# Altium PCB mod_duo_dwarf.PcbDoc (part 2 of 3)
Units mm, origin at the board's own origin, x right, y up, seen from the top; angles counter-clockwise.
Board outline 193.02 x 75.32 mm, 2 copper layers (Top Layer, Bottom Layer), stack 1.579 mm thick; 179 components, 157 nets, 691 pads, 335 vias.
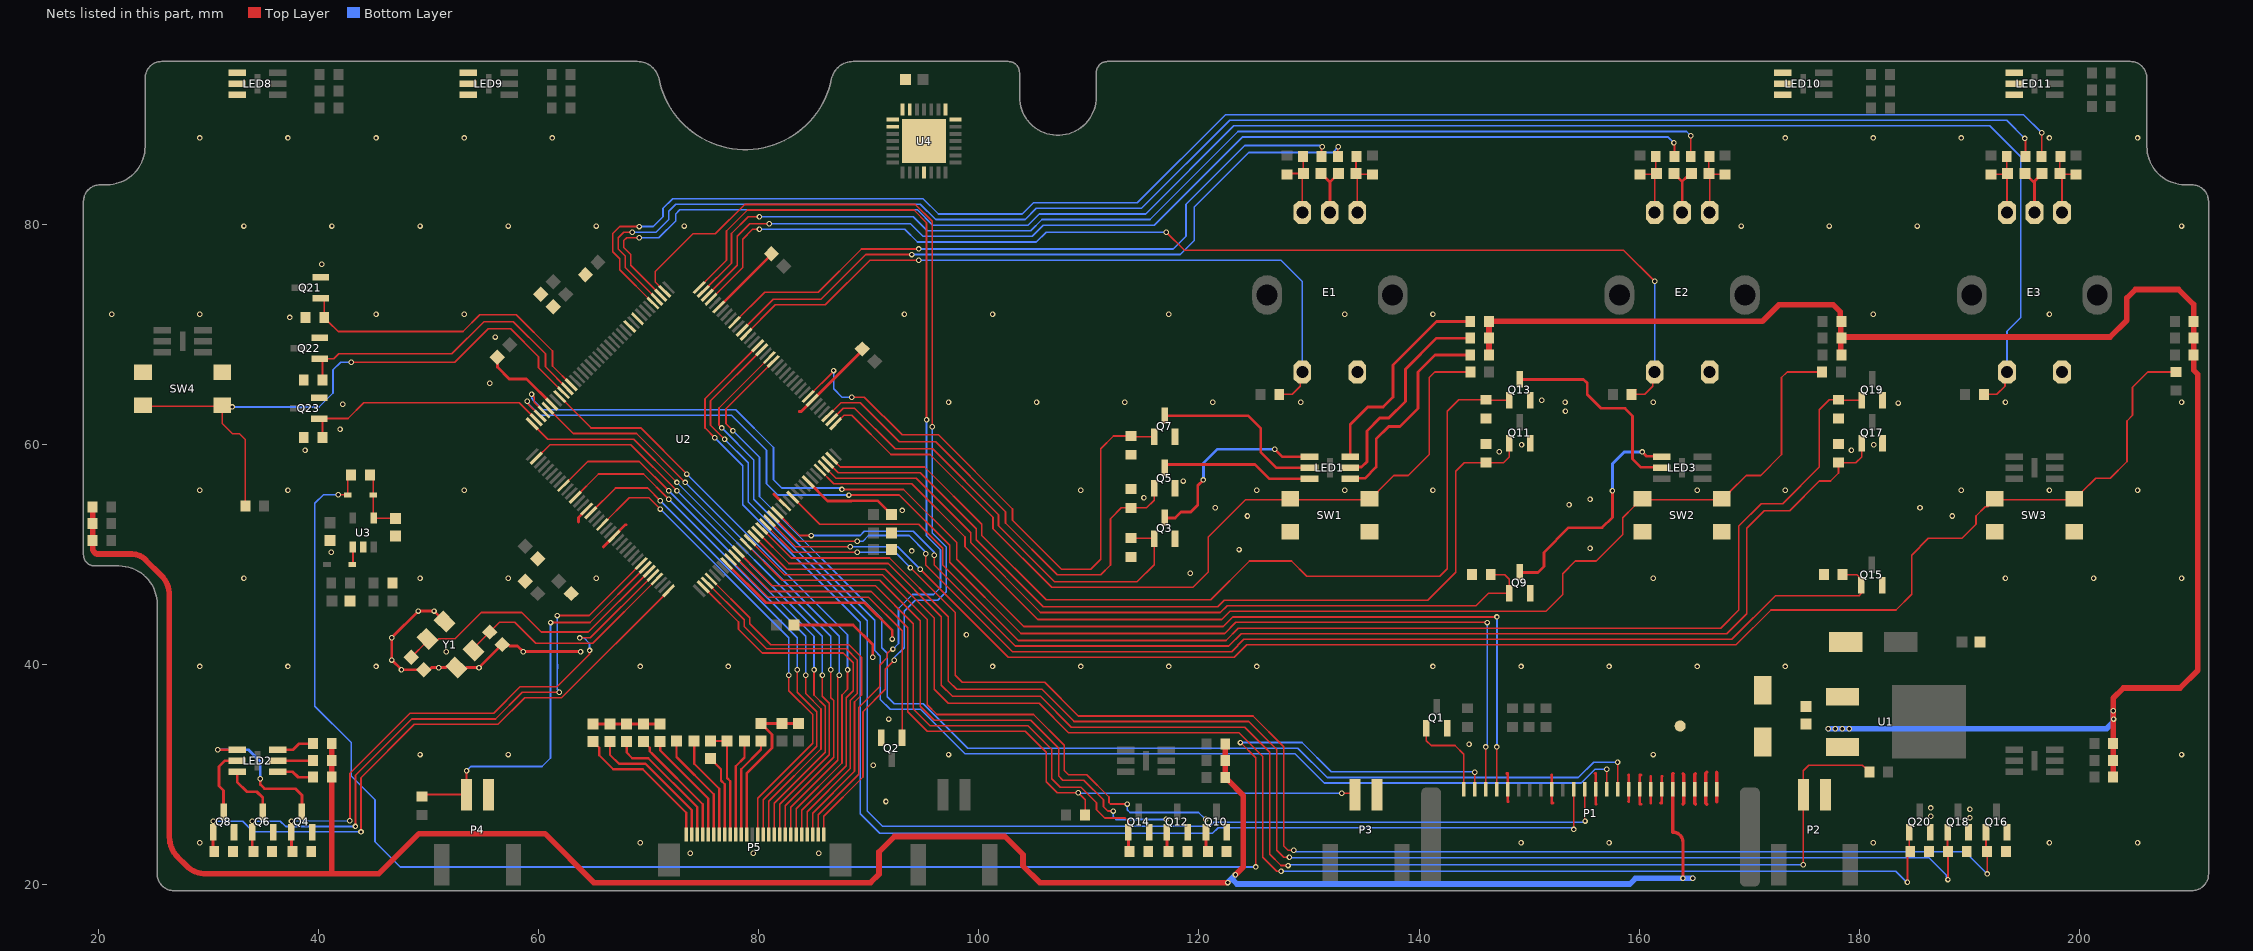
[diagram p2: the nets of this part, all layers, seen from the top]

## Via types
v1: diameter 0.5, hole 0.3, Top Layer to Bottom Layer, tented both sides, 335 vias

## Nets (pads, with @x,y where several pads share a name; then routed paths per layer and width w, separated by ;. In a path a pad name is that pad's centre, name@x,y a point inside that pad or via, vN(x,y) a via of type N, cw(c..) or ccw(c..) an arc to the next point about the centre after c; other vN are vias at no path point) (continued)
+12V: C1.2 C3.2 P1.20 P1.21 P1.22 P1.23 P1.24 R34.2 R35.2 R36.2 R38.2 R39.2 R40.2 R46.2 R47.2 R48.2 R50.2 R51.2 R52.2 R58.2 R59.2 R60.2 R62.2 R63.2 R64.2 R70.2 R71.2 R72.2 TP1.1 U1.3 | length 382.9
  Top Layer w0.3: 163.068,30.099 163.036,30.067 P1.20@163.036,28.666 163.036,24.765 163.068,24.765 cw(c163.068,23.876) 163.957,23.876 v1(163.957,20.574) ; 163.957,27.305 164.036,27.384 P1.21@164.036,28.666 164.036,30.02 163.957,30.099 ; 165.1,27.305 165.036,27.369 P1.22@165.036,28.666 165.036,30.035 165.1,30.099 ; 166.116,27.305 166.036,27.385 P1.23@166.036,28.666 166.036,30.146 166.116,30.226 ; 167.005,30.226 167.036,30.195 P1.24@167.036,28.666 167.036,27.516
  Top Layer w0.508: R71.2@19.502,54.318 R72.2@19.502,52.794 R70.2@19.502,51.27 19.502,50.607 ccw(c20.127,50.607) 19.685,50.165 ccw(c19.992,50.472) 19.992,50.038 23.044,50.038 cw(c23.044,48.239) 24.316,49.511 25.741,48.086 cw(c23.945,46.29) 26.485,46.29 26.485,24.317 ccw(c29.025,24.317) 27.229,22.521 28.027,21.723 ccw(c29.823,23.519) 29.823,20.979 41.23,20.979 ; R38.2@41.23,32.812 R40.2@41.23,31.288 R39.2@41.23,29.764 41.23,20.979 ; R50.2@122.383,32.79 122.383,29.692 122.579,29.496 122.616,29.496 124.021,28.091 124.021,21.614 v1(123.311,20.904) ; v1(122.6,20.193) 105.537,20.193 104.013,21.717 104.013,22.733 102.362,24.384 92.329,24.384 90.932,22.987 90.932,20.955 90.17,20.193 65.024,20.193 60.579,24.638 49.149,24.638 45.49,20.979 41.23,20.979 ; R35.2@146.342,68.118 R36.2@146.342,69.642 R34.2@146.342,71.166 171.16,71.166 172.662,72.668 177.615,72.668 178.25,72.033 178.25,71.21 178.302,71.158 178.302,69.642 R47.2@178.302,68.118 ; R48.2@178.31,69.642 178.415,69.747 202.761,69.747 204.285,71.271 204.285,73.303 205.047,74.065 208.984,74.065 210.342,72.707 R58.2@210.342,71.166 R60.2@210.342,69.642 R59.2@210.342,68.118 210.342,66.738 210.723,66.357 210.723,39.482 209.111,37.87 203.962,37.87 203.028,36.936 R62.2@203.028,32.812 R64.2@203.028,31.288 R63.2@203.028,29.764
  Bottom Layer w0.508: v1(122.6,20.193) 122.955,20.548 ; v1(123.311,20.904) 122.955,20.548 ; v1(164.846,20.574) 159.639,20.574 159.131,20.066 123.438,20.066 122.955,20.548 ; v1(177.165,34.163) v1(177.8,34.163) v1(178.435,34.163) v1(179.07,34.163) 202.438,34.163 203.028,34.753 v1(203.028,35.798)
  other v1: 203.073,35.052
B1_LED_B: Q7.1 R43.1 U2.80 | length 52.4
  Top Layer w0.152: U2.80@84.517,64.347 86.81,66.64 v1(86.81,66.699) ; v1(88.461,64.286) 89.604,64.286 93.033,60.857 96.335,60.857 103.066,54.126 103.066,53.11 107.511,48.665 110.178,48.665 111.067,49.554 111.067,59.587 112.232,60.752 R43.1@113.825,60.752 113.886,60.691 Q7.1@115.923,60.691
  Bottom Layer w0.152: v1(86.81,66.699) 86.81,65.048 87.572,64.286 v1(88.461,64.286)
B1_LED_G: Q5.1 R41.1 U2.75 | length 43.5
  Top Layer w0.152: U2.75@86.285,62.58 87.483,63.778 89.223,63.778 92.779,60.222 96.081,60.222 102.431,53.872 102.431,52.856 107.13,48.157 111.067,48.157 111.956,49.046 111.956,53.237 112.945,54.226 R41.1@113.825,54.226 115.231,54.226 115.923,54.918 Q5.1@115.923,55.992
B1_LED_R: Q3.1 R33.1 U2.74 | length 41.9
  Top Layer w0.152: U2.74@86.638,62.226 87.682,63.27 88.715,63.27 92.398,59.587 95.827,59.587 101.796,53.618 101.796,52.602 106.876,47.522 114.369,47.522 115.923,49.076 Q3.1@115.923,51.42 115.862,51.481 R33.1@113.825,51.481
B2_LED_B: Q13.1 R55.1 U2.71 | length 84.6
  Top Layer w0.152: U2.71@86.638,58.726 87.428,57.936 95.065,57.936 100.272,52.729 100.272,51.713 106.114,45.871 121.055,45.871 124.587,49.403 128.397,49.403 129.794,48.006 141.867,48.006 142.563,48.702 142.563,63.016 143.601,64.054 R55.1@146.087,64.054 146.148,63.993 Q13.1@148.185,63.993
B2_LED_G: Q11.1 R53.1 U2.70 | length 80.2
  Top Layer w0.152: U2.70@86.285,58.372 87.229,57.428 94.684,57.428 99.764,52.348 99.764,51.332 105.86,45.236 121.69,45.236 122.301,45.847 140.785,45.847 143.325,48.387 143.325,57.555 144.087,58.317 146.07,58.317 R53.1@146.087,58.334 147.664,58.334 148.185,58.855 Q11.1@148.185,60.1
B2_LED_R: Q9.1 R45.1 U2.69 | length 72.7
  Top Layer w0.152: U2.69@85.931,58.019 87.03,56.92 94.303,56.92 99.256,51.967 99.256,51.078 105.606,44.728 121.944,44.728 122.555,45.339 145.161,45.339 146.289,46.467 Q9.1@148.185,46.467 148.185,47.742 147.77,48.157 R45.1@146.5,48.157 146.5,48.107 R45.1@146.126,47.733
B3_LED_B: Q19.1 R67.1 U2.61 | length 120
  Top Layer w0.152: U2.61@83.103,55.19 85.564,52.729 94.557,52.729 96.716,50.57 96.716,49.046 103.574,42.188 122.452,42.188 123.571,43.307 167.386,43.307 169.037,44.958 169.037,52.578 171.069,54.61 173.019,54.61 176.345,57.936 176.345,63.143 177.256,64.054 R67.1@178.087,64.054 178.148,63.993 Q19.1@180.185,63.993
B3_LED_G: Q17.1 R65.1 U2.57 | length 118
  Top Layer w0.152: U2.57@81.689,53.776 83.752,51.713 v1(84.778,51.713) ; v1(95.954,49.935) 95.954,49.046 103.32,41.68 122.706,41.68 123.825,42.799 167.934,42.799 169.753,44.618 169.753,52.384 171.344,53.975 173.654,53.975 176.345,56.666 177.361,56.666 178.087,57.392 R65.1@178.087,58.334 179.664,58.334 180.185,58.855 Q17.1@180.185,60.1
  Bottom Layer w0.152: v1(84.778,51.713) 89.223,51.713 89.604,52.094 94.049,52.094 95.954,50.189 v1(95.954,49.935)
B3_LED_R: Q15.1 R57.1 U2.56 | length 110.5
  Top Layer w0.152: U2.56@81.335,53.423 83.553,51.205 v1(88.969,51.205) ; v1(95.192,50.062) 95.192,49.046 103.066,41.172 122.96,41.172 124.079,42.291 168.402,42.291 172.363,46.252 179.961,46.252 180.124,46.415 180.124,46.467 180.124,46.528 180.185,46.467 180.185,46.528 180.185,47.746 179.774,48.157 R57.1@178.465,48.157
  Bottom Layer w0.152: v1(88.969,51.205) 89.477,51.205 89.985,51.713 93.668,51.713 95.192,50.189 v1(95.192,50.062)
BUTTON_1: R29.1 SW1.3 SW1.4 U2.73 | length 79
  Top Layer w0.152: U2.73@86.992,61.873 87.754,62.635 88.461,62.635 92.017,59.079 95.573,59.079 101.288,53.364 101.288,52.348 106.622,47.014 119.449,47.014 120.846,48.411 120.846,51.586 124.226,54.966 SW1.3@128.286,54.966 ; SW1.3@128.386,54.966 135.486,54.966 135.586,54.966 136.21,55.59 136.21,55.69 137.694,57.174 139.011,57.174 140.916,59.079 140.916,66.064 141.424,66.572 R29.1@144.642,66.572
BUTTON_2: R30.1 SW2.3 SW2.4 U2.68 | length 112.6
  Top Layer w0.152: U2.68@85.578,57.665 86.831,56.412 93.922,56.412 98.748,51.586 98.748,50.697 105.352,44.093 122.071,44.093 122.809,44.831 151.511,44.831 153.035,46.355 153.035,48.26 154.178,49.403 156.083,49.403 158.496,51.816 158.496,53.34 159.562,54.406 159.562,54.442 160.186,55.066 SW2.3@160.286,55.066 ; SW2.3@160.386,54.966 167.586,54.966 168.21,55.59 168.21,55.69 169.694,57.174 171.011,57.174 172.916,59.079 172.916,66.064 173.424,66.572 R30.1@176.599,66.572
BUTTON_3: R31.1 SW3.3 SW3.4 U2.55 | length 149.9
  Top Layer w0.152: U2.55@80.981,53.069 83.354,50.697 v1(88.334,50.697) ; v1(94.684,48.665) 102.685,40.664 123.214,40.664 124.333,41.783 168.783,41.783 171.958,44.958 183.306,44.958 184.727,46.379 184.727,49.935 186.251,51.459 189.299,51.459 190.569,52.729 190.569,53.491 191.42,54.342 191.662,54.342 192.286,54.966 199.586,54.966 200.21,55.59 200.21,55.69 201.44,56.92 202.761,56.92 204.285,58.444 204.285,62.127 204.793,62.635 204.793,65.175 206.19,66.572 R31.1@208.73,66.572
  Bottom Layer w0.152: v1(88.334,50.697) 92.652,50.697 v1(94.684,48.665)
BUTTON_MOD: R32.1 SW4.3 SW4.4 U2.136 | length 56.3
  Top Layer w0.152: SW4.4@23.586,63.466 SW4.3@31.286,63.466 ; SW4.3@31.286,63.566 SW4.3@31.286,63.466 ; v1(32.2,63.397) 32.106,63.397 32.037,63.466 SW4.3@31.286,63.466 ; R32.1@33.382,54.38 33.382,60.437 32.854,60.965 32.219,60.965 31.286,61.898 SW4.3@31.286,63.466 ; v1(42.995,67.461) 52.393,67.461 55.441,70.509 57.473,70.509 60.013,67.969 60.013,66.966 U2.136@62.279,64.701
  Bottom Layer w0.152: v1(32.2,63.397) 40.074,63.397 41.344,64.667 41.344,66.774 42.031,67.461 v1(42.995,67.461)
CLI_UART_RX: P1.15 U2.89 | length 110.7
  Top Layer w0.152: v1(77.666,61.238) 77.031,61.873 77.031,63.225 U2.89@81.335,67.529 ; v1(158.013,31.128) 158.025,31.116 158.025,28.678 P1.15@158.036,28.666
  Bottom Layer w0.152: v1(77.666,61.238) 80.079,58.825 80.079,55.269 91.186,44.162 91.186,41.529 91.694,41.021 91.694,37.084 92.329,36.449 94.962,36.449 99.002,32.409 128.974,32.409 131.641,29.742 154.456,29.742 155.842,31.128 v1(158.013,31.128)
CLI_UART_TX: P1.14 U2.90 | length 110.5
  Top Layer w0.152: v1(76.65,61.492) 76.396,61.746 76.396,63.297 U2.90@80.981,67.883 ; P1.14@157.036,28.666 157.039,28.67 157.039,30.482 v1(157.043,30.486)
  Bottom Layer w0.152: v1(76.65,61.492) 79.571,58.571 79.571,55.015 90.551,44.035 90.551,41.275 91.059,40.767 91.059,36.83 91.948,35.941 94.708,35.941 98.748,31.901 128.72,31.901 131.387,29.234 154.71,29.234 155.962,30.486 v1(157.043,30.486)
ENC1_A: R25.1 U2.97 | length 63.7
  Top Layer w0.152: U2.97@78.507,70.358 81.325,73.176 85.667,73.176 89.731,77.24 v1(93.922,77.24) ; R25.1@132.607,86.13 132.607,86.969 v1(132.657,87.019)
  Bottom Layer w0.152: v1(93.922,77.24) 118.306,77.24 119.576,78.51 119.576,81.558 124.529,86.511 132.149,86.511 v1(132.657,87.019)
ENC1_B: R19.1 U2.99 | length 62.7
  Top Layer w0.152: U2.99@77.8,71.065 80.546,73.811 85.413,73.811 89.35,77.748 v1(94.557,77.748) ; R19.1@131.132,86.13 131.132,86.969 v1(131.182,87.019)
  Bottom Layer w0.152: v1(94.557,77.748) 117.671,77.748 118.814,78.891 118.814,81.812 124.148,87.146 130.961,87.146 131.088,87.019 v1(131.182,87.019)
ENC1_SW: E1.2 R12.1 U2.96 | length 65.9
  Top Layer w0.152: U2.96@78.86,70.004 81.524,72.668 86.048,72.668 90.112,76.732 v1(94.557,76.732) ; R12.1@127.292,64.54 128.474,64.54 129.211,65.277 129.211,66.291 E1.2@129.386,66.466
  Bottom Layer w0.152: v1(94.557,76.732) 127.45,76.732 129.386,74.796 E1.2@129.386,66.566 E1.2@129.386,66.466
ENC2_A: R26.1 U2.107 | length 100.4
  Top Layer w0.152: U2.107@74.971,73.893 77.539,76.461 77.539,79.145 79.063,80.669 v1(80.079,80.669) ; v1(164.661,88.035) 164.662,88.034 R26.1@164.662,86.13
  Bottom Layer w0.152: v1(80.079,80.669) 94.049,80.669 95.319,79.399 104.717,79.399 105.733,80.415 115.542,80.415 123.543,88.416 164.28,88.416 v1(164.661,88.035)
ENC2_B: R20.1 U2.106 | length 97.8
  Top Layer w0.152: U2.106@75.325,73.54 78.047,76.262 78.047,78.891 79.19,80.034 v1(80.968,80.034) ; v1(163.137,87.4) 163.187,87.35 R20.1@163.187,86.13
  Bottom Layer w0.152: v1(80.968,80.034) 93.795,80.034 94.938,78.891 104.844,78.891 105.86,79.907 115.923,79.907 123.924,87.908 162.629,87.908 v1(163.137,87.4)
ENC2_SW: E2.2 R13.1 U2.105 | length 105
  Top Layer w0.152: U2.105@75.678,73.186 78.555,76.063 78.555,78.637 79.444,79.526 v1(80.079,79.526) ; v1(117.036,79.272) 118.687,77.621 158.565,77.621 v1(161.386,74.8) ; R13.1@159.716,64.964 159.666,64.964 159.292,64.59 R13.1@159.292,64.54 160.474,64.54 161.211,65.277 161.211,66.291 E2.2@161.386,66.466
  Bottom Layer w0.152: v1(80.079,79.526) 93.287,79.526 94.43,78.383 105.225,78.383 106.114,79.272 v1(117.036,79.272) ; E2.2@161.386,66.466 E2.2@161.386,66.566 v1(161.386,74.8)
ENC3_A: R27.1 U2.113 | length 146.5
  Top Layer w0.152: v1(69.157,79.78) 67.379,79.78 66.744,79.145 66.744,77.494 67.379,76.859 67.379,75.864 U2.113@70.41,72.833 ; v1(196.538,88.289) 196.541,88.286 R27.1@196.541,86.13
  Bottom Layer w0.152: v1(69.157,79.78) 70.427,79.78 71.316,80.669 71.316,81.431 72.205,82.32 94.938,82.32 96.335,80.923 103.955,80.923 104.971,81.939 114.399,81.939 122.4,89.94 194.887,89.94 v1(196.538,88.289)
ENC3_B: R21.1 U2.112 | length 143.2
  Top Layer w0.152: v1(68.522,79.272) 67.76,79.272 67.252,78.764 67.252,77.748 67.887,77.113 67.887,76.063 U2.112@70.764,73.186 ; v1(195.014,87.781) 195.066,87.729 R21.1@195.066,86.13
  Bottom Layer w0.152: v1(68.522,79.272) 70.681,79.272 71.824,80.415 71.824,81.177 72.459,81.812 94.684,81.812 96.081,80.415 104.209,80.415 105.225,81.431 114.78,81.431 122.781,89.432 193.363,89.432 v1(195.014,87.781)
ENC3_SW: E3.2 R14.1 U2.111 | length 163.9
  Top Layer w0.152: v1(69.157,78.764) 68.014,78.764 67.76,78.51 67.76,77.875 68.395,77.24 68.395,76.262 U2.111@71.117,73.54 ; R14.1@191.292,64.54 192.474,64.54 193.211,65.277 193.211,66.291 E3.2@193.386,66.466
  Bottom Layer w0.152: v1(69.157,78.764) 70.935,78.764 72.459,80.288 72.459,80.923 72.84,81.304 94.43,81.304 95.827,79.907 104.463,79.907 105.479,80.923 115.161,80.923 123.162,88.924 191.839,88.924 194.633,86.13 194.633,71.525 193.386,70.278 E3.2@193.386,66.566 E3.2@193.386,66.466
FS1: P4.2 R28.2 U2.30 | length 37.3
  Top Layer w0.152: R28.2@49.403,28.028 49.563,28.188 53.236,28.188 53.467,28.419 v1(53.467,30.353) ; v1(61.097,43.815) 64.692,43.815 U2.30@69.703,48.826
  Bottom Layer w0.152: v1(53.467,30.353) 53.848,30.734 60.325,30.734 61.097,31.506 v1(61.097,43.815)
FS1_LED_B: Q8.1 R44.1 U2.36 | length 56.5
  Top Layer w0.152: Q8.1@30.452,24.75 v1(30.452,25.766) ; v1(43.884,24.789) 43.884,29.725 48.727,34.568 56.33,34.568 58.743,36.981 62.1,36.981 U2.36@71.824,46.705
  Top Layer w0.254: Q8.1@30.452,24.75 30.452,23.133 R44.1@30.552,23.033
  Bottom Layer w0.152: v1(30.452,25.766) 33.128,25.766 34.076,24.818 v1@43.884,24.818
FS1_LED_G: Q6.1 R42.1 U2.29 | length 55.2
  Top Layer w0.152: Q6.1@34.008,24.75 v1(34.008,25.766) ; v1@43.384,25.297 43.384,29.932 48.501,35.049 56.103,35.049 58.536,37.481 v1(61.893,37.481) ; v1(61.722,44.45) 64.62,44.45 U2.29@69.35,49.18
  Top Layer w0.254: Q6.1@34.008,24.75 34.008,23.133 R42.1@34.108,23.033
  Bottom Layer w0.152: v1(34.008,25.766) 36.557,25.766 37.036,25.287 v1@43.376,25.287 ; v1(61.722,44.45) 61.722,40.029 61.727,40.024 61.727,39.627 61.722,39.622 61.722,37.744 61.893,37.573 v1(61.893,37.481)
  other v1: 43.376,25.297
FS1_LED_R: Q4.1 R37.1 U2.32 | length 49.7
  Top Layer w0.152: Q4.1@37.564,24.75 v1(37.564,25.766) ; v1@42.884,25.805 42.884,30.139 48.329,35.584 55.932,35.584 58.329,37.981 61.686,37.981 64.643,40.938 v1(64.643,41.275) ; v1(63.754,42.418) 64.709,42.418 U2.32@70.41,48.119
  Top Layer w0.254: Q4.1@37.564,24.75 37.564,23.133 R37.1@37.664,23.033
  Bottom Layer w0.152: v1(37.564,25.766) v1(42.868,25.805) ; v1(63.754,42.418) 64.135,42.418 64.643,41.91 v1(64.643,41.275)
FS2: P3.2 R15.2 U2.46 | length 73.7
  Top Layer w0.152: U2.46@77.8,49.887 81.054,46.633 90.239,46.633 93.541,43.331 93.541,35.711 95.319,33.933 104.209,33.933 106.114,32.028 106.114,29.361 107.13,28.345 v1(109.035,28.345) 109.67,27.71 109.67,26.352 R15.2@109.631,26.313 ; v1(132.969,28.321) 134.053,28.321 P3.2@134.186,28.188
  Bottom Layer w0.152: v1(109.035,28.345) 109.059,28.321 v1(132.969,28.321)
FS2_LED_B: Q14.1 R56.1 U2.47 | length 54.8
  Top Layer w0.152: U2.47@78.153,50.241 81.253,47.141 90.62,47.141 94.049,43.712 94.049,35.965 95.573,34.441 104.463,34.441 106.622,32.282 106.622,29.615 107.384,28.853 109.289,28.853 110.686,27.456 110.686,26.821 111.448,26.059 113.298,26.059 113.591,25.766 Q14.1@113.591,24.75
  Top Layer w0.254: Q14.1@113.591,24.75 113.591,23.133 R56.1@113.691,23.033
FS2_LED_G: Q12.1 R54.1 U2.49 | length 58.2
  Top Layer w0.152: U2.49@78.86,50.948 82.159,47.649 91.001,47.649 94.684,43.966 94.684,36.219 95.954,34.949 104.717,34.949 107.257,32.409 107.257,29.869 107.638,29.488 109.543,29.488 111.321,27.71 111.321,27.075 111.702,26.694 v1(112.21,26.694) ; v1(117.036,25.932) 117.036,24.795 Q12.1@117.081,24.75
  Top Layer w0.254: Q12.1@117.081,24.75 117.081,23.199 R54.1@117.247,23.033
  Bottom Layer w0.152: v1(112.21,26.694) 112.21,26.186 112.464,25.932 v1(117.036,25.932)
FS2_LED_R: Q10.1 R49.1 U2.50 | length 61.3
  Top Layer w0.152: U2.50@79.214,51.301 82.358,48.157 91.255,48.157 95.319,44.093 95.319,36.346 96.208,35.457 104.971,35.457 107.765,32.663 107.765,30.377 108.146,29.996 109.797,29.996 111.829,27.964 111.829,27.456 111.956,27.329 v1(113.48,27.329) ; v1(120.592,25.932) 120.592,24.795 Q10.1@120.637,24.75
  Top Layer w0.254: Q10.1@120.637,24.75 120.637,23.199 R49.1@120.803,23.033
  Bottom Layer w0.152: v1(113.48,27.329) 113.48,26.821 113.734,26.567 119.957,26.567 v1(120.592,25.932)
FS3: P2.2 R11.2 U2.52 | length 131.7
  Top Layer w0.152: U2.52@79.921,52.008 82.756,49.173 91.763,49.173 96.589,44.347 96.589,38.124 97.605,37.108 105.606,37.108 108.4,34.314 124.148,34.314 126.434,32.028 126.434,22.757 127.45,21.741 v1(128.085,21.741) ; v1(174.895,21.822) P2.2@174.895,28.188 174.879,28.203 174.879,30.353 175.387,30.861 180.252,30.861 180.463,30.65 180.513,30.65 180.887,30.276 R11.2@180.887,30.226
  Bottom Layer w0.152: v1(128.085,21.741) 128.152,21.808 128.334,21.808 128.348,21.822 v1(174.895,21.822)
FS3_LED_B: Q20.1 R68.1 U2.51 | length 131.6
  Top Layer w0.152: U2.51@79.567,51.655 82.557,48.665 91.509,48.665 95.954,44.22 95.954,37.743 97.224,36.473 105.479,36.473 108.146,33.806 123.64,33.806 125.799,31.647 125.799,22.503 127.069,21.233 v1(127.45,21.233) ; v1(184.346,20.217) 184.346,22.776 R68.1@184.603,23.033 184.503,23.133 Q20.1@184.503,24.75
  Bottom Layer w0.152: v1(127.45,21.233) 183.282,21.233 184.298,20.217 v1(184.346,20.217)
FS3_LED_G: Q18.1 R66.1 U2.53 | length 134.2
  Top Layer w0.152: U2.53@80.274,52.362 82.955,49.681 91.89,49.681 97.224,44.347 97.224,38.505 97.986,37.743 105.733,37.743 108.654,34.822 124.529,34.822 127.069,32.282 127.069,23.138 127.704,22.503 v1(128.212,22.503) ; R66.1@187.993,23.072 Q18.1@187.993,24.75 ; v1(188.029,20.471) 188.032,20.474 R66.1@188.032,23.033
  Top Layer w0.254: R66.1@187.993,23.072 R66.1@188.032,23.033
  Bottom Layer w0.152: v1(128.212,22.503) 128.275,22.44 186.314,22.44 187.902,20.852 187.902,20.692 188.029,20.565 v1(188.029,20.471)
FS3_LED_R: Q16.1 R61.1 U2.54 | length 136.5
  Top Layer w0.152: U2.54@80.628,52.716 83.154,50.189 v1(88.969,50.189) ; v1(93.795,48.792) 97.859,44.728 97.859,39.013 98.494,38.378 105.987,38.378 109.035,35.33 124.91,35.33 127.704,32.536 127.704,23.519 128.085,23.138 v1(128.593,23.138) ; R61.1@191.488,23.133 Q16.1@191.488,24.75 ; v1(191.585,20.979) 191.588,20.982 R61.1@191.588,23.033
  Top Layer w0.254: R61.1@191.488,23.133 R61.1@191.588,23.033
  Bottom Layer w0.152: v1(88.969,50.189) 92.398,50.189 v1(93.795,48.792) ; v1(128.593,23.138) 128.687,23.138 128.838,22.987 189.577,22.987 v1(191.585,20.979)
GLCD1_BL: Q2.1 U2.45 | length 28
  Top Layer w0.152: U2.45@77.446,49.534 80.854,46.125 89.985,46.125 93.033,43.077 93.033,35.457 93.033,33.343 Q2.1@93.025,33.335
GLCD1_CS: P5.1 U2.110 | length 92.5
  Top Layer w0.152: U2.110@71.471,73.893 70.612,74.752 70.612,75.692 74.041,79.121 76.073,79.121 78.74,81.788 94.234,81.788 95.758,80.264 v1(95.758,61.595) ; P5.1@85.916,24.562 85.916,26.226 89.477,29.787 89.477,35.711 91.509,37.743 91.509,39.566 v1(92.329,40.386)
  Bottom Layer w0.152: v1(92.329,40.386) 92.329,40.64 93.218,41.529 93.218,44.831 94.234,45.847 96.266,45.847 97.028,46.609 97.028,50.673 95.758,51.943 v1(95.758,61.595)
GLCD1_RESET: P5.2 U2.108 | length 87.5
  Top Layer w0.152: U2.108@74.618,74.247 77.089,76.718 77.089,79.375 78.994,81.28 94.107,81.28 95.25,80.137 v1(95.25,62.23) ; P5.2@85.416,24.562 85.416,26.361 89.096,30.041 89.096,36.092 91.001,37.997 91.001,39.947 91.694,40.64 91.694,41.021 91.952,41.279 91.985,41.279 92.108,41.402 v1(92.202,41.402)
  Bottom Layer w0.152: v1(92.202,41.402) 92.71,41.91 92.71,45.085 93.98,46.355 95.885,46.355 96.52,46.99 96.52,50.419 95.25,51.689 v1(95.25,62.23)
GLCD_A0: P5.3 U2.40 | length 34.9
  Top Layer w0.152: U2.40@75.678,47.766 79.19,44.254 79.19,43.712 81.095,41.807 88.207,41.807 89.35,40.664 89.35,37.235 88.715,36.6 88.715,30.295 84.916,26.496 P5.3@84.916,24.562
GLCD_D0: P5.6 U2.137 | length 55.2
  Top Layer w0.152: U2.137@61.925,64.347 64.78,61.492 69.284,61.492 v1(73.475,57.301) ; P5.6@83.416,24.562 83.416,26.901 87.572,31.057 87.572,37.235 88.08,37.743 v1(88.08,39.521)
  Bottom Layer w0.152: v1(73.475,57.301) 88.08,42.696 v1(88.08,39.521)
GLCD_D1: P5.7 U2.140 | length 54.9
  Top Layer w0.152: U2.140@60.864,63.287 63.167,60.984 68.903,60.984 v1(73.348,56.539) ; P5.7@82.916,24.562 82.916,27.036 87.191,31.311 87.191,38.886 v1(87.318,39.013)
  Bottom Layer w0.152: v1(73.348,56.539) 87.318,42.569 v1(87.318,39.013)
GLCD_D2: P5.8 U2.144 | length 55
  Top Layer w0.152: U2.144@59.45,61.873 60.847,60.476 68.649,60.476 v1(72.586,56.539) ; P5.8@82.416,24.562 82.416,27.171 86.81,31.565 86.81,36.727 86.556,36.981 v1(86.556,39.521)
  Bottom Layer w0.152: v1(72.586,56.539) 86.556,42.569 v1(86.556,39.521)
GLCD_D3: P5.9 U2.2 | length 53.9
  Top Layer w0.152: U2.2@59.804,58.726 61.046,59.968 68.395,59.968 v1(72.586,55.777) ; P5.9@81.916,24.562 81.916,27.306 86.429,31.819 86.429,36.473 85.794,37.108 v1(85.794,39.013)
  Bottom Layer w0.152: v1(72.586,55.777) 85.794,42.569 v1(85.794,39.013)
GLCD_D4: P5.10 U2.9 | length 50.6
  Top Layer w0.152: U2.9@62.279,56.251 64.471,58.444 69.157,58.444 v1(71.824,55.777) ; P5.10@81.416,24.562 81.416,27.396 86.048,32.028 86.048,36.219 85.032,37.235 v1(85.032,39.521)
  Bottom Layer w0.152: v1(71.824,55.777) 85.032,42.569 v1(85.032,39.521)
GLCD_D5: P5.11 U2.12 | length 48.5
  Top Layer w0.152: U2.12@63.339,55.19 65.45,57.301 69.538,57.301 v1(71.824,55.015) ; P5.11@80.916,24.562 80.916,27.576 85.667,32.327 85.667,35.965 84.27,37.362 v1(84.27,39.013)
  Bottom Layer w0.152: v1(71.824,55.015) 84.27,42.569 v1(84.27,39.013)
GLCD_D6: P5.12 U2.16 | length 46
  Top Layer w0.152: U2.16@64.753,53.776 67.008,56.031 69.919,56.031 v1(71.062,54.888) ; P5.12@80.416,24.562 80.416,27.711 85.286,32.581 85.286,35.711 83.508,37.489 v1(83.508,39.521)
  Bottom Layer w0.152: v1(71.062,54.888) 83.508,42.442 v1(83.508,39.521)
GLCD_D7: P5.13 U2.19 | length 44
  Top Layer w0.152: U2.19@65.814,52.716 68.241,55.142 70.046,55.142 v1(71.062,54.126) ; P5.13@79.916,24.562 79.916,27.846 84.905,32.835 84.905,35.457 82.746,37.616 v1(82.746,39.013)
  Bottom Layer w0.152: v1(71.062,54.126) 82.746,42.442 v1(82.746,39.013)
GLCD_RD: P5.4 U2.39 | length 34.6
  Top Layer w0.152: U2.39@75.325,47.412 78.682,44.055 78.682,43.458 80.714,41.426 87.953,41.426 88.969,40.41 88.969,37.362 88.334,36.727 88.334,30.549 84.416,26.631 P5.4@84.416,24.562
GLCD_RW: P5.5 U2.38 | length 34.4
  Top Layer w0.152: U2.38@74.971,47.059 78.174,43.856 78.174,43.204 80.333,41.045 87.699,41.045 88.588,40.156 88.588,37.616 87.953,36.981 87.953,30.803 83.916,26.766 P5.5@83.916,24.562
GND: C1.1 C2.2 C3.1 C4.1 C5.1 C6.1 C7.1 C8.1 C9.1 C10.1 C11.1 C12.1 C13.1 C14.2 C15.2 C16.1 C17.1 C18.1 C19.2 C20.2 C24.1 C25.1 C26.1 C27.1 C28.1 C29.1 C30.2 C32.1 C33.1 C34.1 C35.1 C36.1 C37.1 C38.1 C39.1 C40.1 C41.1 E1.1 E1.C E2.1 E2.C E3.1 E3.C LED8.1 LED8.2 LED8.3 LED9.1 LED9.2 LED9.3 LED10.1 LED10.2 LED10.3 LED11.1 LED11.2 LED11.3 P1.5 P1.9 P1.13 P1.16 P1.17 P1.18 P1.19 P2.1 P3.1 P4.1 P5.15 Q1.2 Q2.2 Q3.2 Q4.2 Q5.2 Q6.2 Q7.2 Q8.2 Q9.2 Q10.2 Q11.2 Q12.2 Q13.2 Q14.2 Q15.2 Q16.2 Q17.2 Q18.2 Q19.2 Q20.2 Q21.2 Q22.2 Q23.2 R4.2 R33.2 R37.2 R41.2 R42.2 R43.2 R44.2 R45.2 R49.2 R53.2 R54.2 R55.2 R56.2 R57.2 R61.2 R65.2 R66.2 R67.2 R68.2 R69.2 R73.2 R74.2 SW1.1 SW1.2 SW2.1 SW2.2 SW3.1 SW3.2 SW4.1 SW4.2 U1.1 U2.15 U2.22 U2.44 U2.59 U2.65 U2.79 U2.103 U2.117 U2.119 U2.139 U3.2 U4.1 U4.2 U4.11 U4.21 U4.22 U4.27 U4.28 U4.29 Y1.2 Y1.4 | length 145.9
  Top Layer w0.254: Y1.4@51.482,43.893 v1(50.52,44.855) v1(49.091,44.855) v1(46.678,42.442) v1(46.678,40.41) v1(47.555,39.533) C15.2@49.587,39.533 50.115,39.533 50.303,39.721 51.591,39.721 51.714,39.845 52.419,39.845 Y1.2@52.542,39.721 52.666,39.597 53.37,39.597 53.494,39.721 v1(54.602,39.721) C17.1@56.699,41.819 57.227,41.819 57.366,41.68 58.108,41.68 v1(58.616,41.172) v1(63.823,41.172) ; C11.1@56.272,67.911 56.272,67.011 57.346,65.937 58.921,65.937 U2.139@61.218,63.64 ; 63.627,52.959 63.627,53.357 U2.15@64.4,54.13 ; C32.1@64.966,34.606 C33.1@66.49,34.606 C34.1@68.014,34.606 C35.1@69.538,34.606 C36.1@71.062,34.606 ; 65.913,50.673 65.913,50.693 U2.22@66.875,51.655 67.925,52.705 67.945,52.705 ; U2.103@76.385,72.479 81.164,77.258 C18.1@81.164,77.298 ; U2.44@77.092,49.18 80.655,45.617 89.604,45.617 92.144,43.077 v1@92.144,42.315 ; P5.15@78.916,24.562 78.916,30.103 81.222,32.409 81.222,33.628 C37.1@80.206,34.644 C19.2@82.111,34.644 C20.2@83.635,34.644 ; 81.407,55.499 81.407,55.472 U2.59@82.396,54.483 ; C5.1@83.203,43.585 88.588,43.585 90.366,41.807 v1@90.366,40.664 ; 83.693,62.992 83.869,62.992 U2.79@84.871,63.994 89.419,68.543 C16.1@89.419,68.662 ; U2.65@84.517,56.605 86.255,54.867 88.426,54.867 88.442,54.882 90.791,54.882 C7.1@92.055,53.618 ; C24.1@131.082,84.606 131.886,83.802 ; E1.C@131.886,81.066 131.886,83.802 ; C27.1@132.657,84.606 131.886,83.835 131.886,83.802 ; 147.955,30.099 148.036,30.099 P1.5@148.036,28.666 148.036,27.559 148.082,27.559 ; 152.019,29.972 152.036,29.972 P1.9@152.036,28.666 152.036,27.432 152.146,27.432 ; 155.956,30.099 156.036,30.099 P1.13@156.036,28.666 156.036,27.305 156.083,27.305 ; 159.004,27.559 159.036,27.559 P1.16@159.036,28.666 159.036,29.972 159.004,29.972 ; 160.147,27.305 160.036,27.305 P1.17@160.036,28.666 160.036,29.972 160.147,29.972 ; 161.036,27.432 P1.18@161.036,28.666 161.036,29.845 ; 161.925,27.432 162.036,27.432 P1.19@162.036,28.666 162.036,29.845 162.052,29.845 ; C25.1@163.137,84.606 163.886,83.857 ; E2.C@163.886,81.066 163.886,83.857 ; C28.1@164.712,84.606 164.339,84.233 164.262,84.233 163.886,83.857 ; C26.1@195.016,84.606 195.886,83.736 ; E3.C@195.886,81.066 195.886,83.736 ; C29.1@196.591,84.606 195.886,83.901 195.886,83.736
  other v1: 73.787,22.86 79.502,22.86 85.471,22.86 29.249,23.826 69.249,23.826 149.249,23.826 157.249,23.826 181.249,23.826 197.249,23.826 205.249,23.826 190.025,26.081 186.469,26.208 190.025,26.843 186.469,26.97 91.567,27.559 90.424,30.861 49.249,31.826 57.249,31.826 97.249,31.826 161.249,31.826 209.249,31.826 144.526,32.766 91.821,35.052 50.947,39.721 29.249,39.826 37.249,39.826 45.249,39.826 69.249,39.826 77.249,39.826 101.249,39.826 109.249,39.826 117.249,39.826 125.249,39.826 141.249,39.826 149.249,39.826 157.249,39.826 165.249,39.826 173.249,39.826 90.363,40.661 51.631,41.172 92.141,42.312 98.875,42.696 33.249,47.826 49.249,47.826 57.249,47.826 65.249,47.826 161.249,47.826 193.249,47.826 201.249,47.826 209.249,47.826 119.195,48.284 41.181,50.211 93.922,50.316 123.64,50.443 155.517,50.57 124.402,53.491 188.41,53.491 93.033,53.999 121.481,54.253 185.489,54.253 153.612,54.507 155.517,55.015 115.004,55.142 29.249,55.826 37.249,55.826 53.249,55.826 109.249,55.826 125.249,55.826 133.249,55.826 141.249,55.826 165.249,55.826 173.249,55.826 189.249,55.826 197.249,55.826 205.249,55.826 118.56,56.666 147.262,59.333 38.804,59.46 179.266,59.46 149.294,59.968 181.298,59.968 41.979,61.365 153.289,62.992 42.233,63.651 183.515,63.754 97.249,63.826 105.249,63.826 113.249,63.826 121.249,63.826 129.249,63.826 153.249,63.826 161.249,63.826 193.249,63.826 209.249,63.826 151.13,64.008 55.568,65.556 56.076,69.747 37.407,71.525 21.249,71.826 29.249,71.826 45.249,71.826 53.249,71.826 93.249,71.826 101.249,71.826 117.249,71.826 133.249,71.826 141.249,71.826 181.249,71.826 197.249,71.826 40.328,76.351 33.249,79.826 41.249,79.826 49.249,79.826 57.249,79.826 65.249,79.826 73.249,79.826 169.249,79.826 177.249,79.826 185.249,79.826 209.249,79.826 29.249,87.826 37.249,87.826 45.249,87.826 53.249,87.826 61.249,87.826 173.249,87.826 181.249,87.826 189.249,87.826 197.249,87.826 205.249,87.826
HMI_ISP_ENABLE: P1.1 Q1.1 | length 8.2
  Top Layer w0.152: Q1.1@140.655,34.229 140.655,33.081 141.097,32.639 143.256,32.639 144.036,31.859 P1.1@144.036,28.666
HMI_RESET: D1.1 P1.2 R1.1 | length 155
  Top Layer w0.152: v1(41.816,55.418) D1.1@42.691,55.418 42.691,56.894 R1.1@42.993,57.196 ; v1(123.767,32.917) 125.164,31.52 v1(125.164,21.614) ; v1(145.034,30.226) 145.036,30.224 P1.2@145.036,28.666
  Bottom Layer w0.152: v1(41.816,55.418) 40.477,55.418 39.693,54.634 39.693,36.219 42.995,32.917 42.995,29.869 45.154,27.71 45.154,23.9 47.44,21.614 v1(125.164,21.614) ; v1(123.767,32.917) 129.355,32.917 132.022,30.25 v1@145.036,30.25
HMI_RFU_RX: P1.11 U2.93 | length 119.8
  Top Layer w0.152: v1(76.015,60.603) 75.126,61.492 75.126,64.149 U2.93@79.921,68.944 ; P1.11@154.036,28.666 154.043,28.659 154.043,25.027 v1(154.051,25.019)
  Bottom Layer w0.152: v1(76.015,60.603) 78.555,58.063 78.555,54.507 89.223,43.839 89.223,26.44 91.001,24.662 121.227,24.662 121.735,25.17 153.9,25.17 v1(154.051,25.019)
HMI_RFU_TX: P1.12 U2.92 | length 118.6
  Top Layer w0.152: v1(76.904,60.476) 75.634,61.746 75.634,63.95 U2.92@80.274,68.59 ; P1.12@155.036,28.666 155.051,28.651 155.051,25.797 v1(155.067,25.781)
  Bottom Layer w0.152: v1(76.904,60.476) 79.063,58.317 79.063,54.761 89.858,43.966 89.858,26.694 91.255,25.297 120.973,25.297 121.354,25.678 154.964,25.678 v1(155.067,25.781)
HMI_UART_RX: P1.4 U2.141 | length 117.4
  Top Layer w0.152: v1(59.378,64.54) 59.632,64.286 59.632,63.812 U2.141@60.511,62.933 ; v1(87.572,55.904) 93.16,55.904 97.986,51.078 97.986,49.554 104.082,43.458 122.198,43.458 123.063,44.323 v1(147.066,44.323) ; P1.4@147.036,28.666 v1(147.036,32.512)
  Bottom Layer w0.152: v1(59.378,64.54) 59.394,64.524 59.394,64.184 59.476,64.103 59.476,64.061 60.394,63.143 77.92,63.143 81.349,59.714 81.349,56.793 82.111,56.031 87.445,56.031 v1(87.572,55.904) ; v1(147.036,32.512) 147.066,32.542 v1(147.066,44.323)
HMI_UART_TX: P1.3 U2.142 | length 116.1
  Top Layer w0.152: v1(58.997,63.905) 58.997,63.74 U2.142@60.157,62.58 ; v1(88.207,55.396) 92.779,55.396 97.351,50.824 97.351,49.3 103.828,42.823 122.325,42.823 123.338,43.836 v1@146.191,43.836 ; P1.3@146.036,28.666 v1(146.036,32.512)
  Bottom Layer w0.152: v1(58.997,63.905) 58.997,63.811 59.12,63.688 59.12,63.655 60.14,62.635 77.539,62.635 80.714,59.46 80.714,56.412 81.73,55.396 v1(88.207,55.396) ; v1(146.036,32.512) 146.036,32.606 146.177,32.747 146.177,32.766 146.191,32.78 v1(146.191,43.816)
MB_LED_B: Q23.1 R74.1 U2.143 | length 22.8
  Top Layer w0.152: Q23.1@40.099,62.342 Q23.1@40.156,62.342 ; R74.1@40.38,60.625 40.38,62.118 Q23.1@40.156,62.342 ; U2.143@59.804,62.226 58.252,63.778 44.138,63.778 42.702,62.342 Q23.1@40.156,62.342
MB_LED_G: Q22.1 R73.1 U2.135 | length 29.1
  Top Layer w0.152: R73.1@40.38,65.832 40.38,67.557 40.156,67.781 41.41,67.781 41.852,68.223 52.139,68.223 55.06,71.144 57.727,71.144 60.648,68.223 60.648,67.039 U2.135@62.632,65.055
MB_LED_R: Q21.1 R69.1 U2.134 | length 29
  Top Layer w0.152: Q21.1@40.226,73.264 40.319,73.264 40.543,73.04 R69.1@40.543,71.525 40.543,71.475 40.917,71.101 40.967,71.101 41.813,70.255 53.155,70.255 54.679,71.779 57.981,71.779 61.283,68.477 61.283,67.111 U2.134@62.986,65.408
NetC13_2: C13.2 D1.2 R1.2 U3.4 | length 7.3
  Top Layer w0.152: R1.2@44.693,57.196 44.991,56.897 D1.2@44.991,55.418 ; 44.991,56.688 44.991,53.35 U3.4@45.052,53.289 46.993,53.289 C13.2@47.023,53.259
NetC15_1: C15.1 U2.31 Y1.1 | length 26.5
  Top Layer w0.152: C15.1@48.456,40.664 49.926,42.134 Y1.1@49.926,42.337 50.048,42.215 50.824,42.215 50.947,42.337 52.415,42.337 54.806,44.728 58.489,44.728 60.267,42.95 64.534,42.95 U2.31@70.057,48.473
NetC17_2: C17.2 U2.33 Y1.3 | length 21.1
  Top Layer w0.152: Y1.3@54.098,41.277 54.098,41.48 C17.2@55.568,42.95 56.457,43.839 57.854,43.839 59.759,41.934 64.932,41.934 U2.33@70.764,47.766
NetC22_1: C22.1 C23.1 P5.18 | length 10.1
  Top Layer w0.203: C23.1@75.634,33.044 C22.1@77.12,33.044 77.12,29.687 77.416,29.391 P5.18@77.416,24.562
NetC22_2: C22.2 P5.17 | length 8.8
  Top Layer w0.203: P5.17@77.916,24.562 77.916,30.754 78.72,31.558 C22.2@78.72,33.044
NetC23_2: C23.2 P5.19 | length 7.6
  Top Layer w0.203: C23.2@75.507,31.317 C23.2@75.634,31.444 76.581,30.497 76.581,29.464 76.916,29.129 P5.19@76.916,24.562
NetC24_2: C24.2 E1.B R16.1 R19.2 | length 6.6
  Top Layer w0.152: R16.1@127.996,84.518 128.084,84.606 C24.2@129.482,84.606 ; E1.B@129.386,81.066 129.386,84.51 C24.2@129.482,84.606 ; R19.2@129.432,86.13 129.482,86.08 C24.2@129.482,84.606
NetC25_2: C25.2 E2.B R17.1 R20.2 | length 6.5
  Top Layer w0.152: R17.1@160.051,84.518 C25.2@161.449,84.518 ; E2.B@161.386,81.066 161.386,84.455 C25.2@161.449,84.518 ; R20.2@161.487,86.13 161.487,84.656 C25.2@161.537,84.606 C25.2@161.449,84.518
NetC26_2: C26.2 E3.B R18.1 R21.2 | length 6.6
  Top Layer w0.152: R18.1@191.93,84.518 193.328,84.518 C26.2@193.386,84.576 ; R21.2@193.366,86.13 193.366,84.656 C26.2@193.416,84.606 C26.2@193.386,84.576 ; E3.B@193.386,81.066 C26.2@193.386,84.576
NetC27_2: C27.2 E1.A R22.1 R25.2 | length 6.5
  Top Layer w0.152: R25.2@134.307,86.13 134.257,86.08 C27.2@134.257,84.606 C27.2@134.345,84.518 ; E1.A@134.386,81.066 134.386,84.477 C27.2@134.345,84.518 ; R22.1@135.743,84.518 C27.2@134.345,84.518
NetC28_2: C28.2 E2.A R23.1 R26.2 | length 6.5
  Top Layer w0.152: R26.2@166.362,86.13 166.312,86.08 C28.2@166.312,84.606 C28.2@166.386,84.532 ; E2.A@166.386,81.066 C28.2@166.386,84.532 ; R23.1@167.798,84.518 166.4,84.518 C28.2@166.386,84.532
NetC29_2: C29.2 E3.A R24.1 R27.2 | length 6.6
  Top Layer w0.152: R27.2@198.241,86.13 198.191,86.08 C29.2@198.191,84.606 C29.2@198.279,84.518 ; E3.A@198.386,81.066 198.386,84.411 C29.2@198.279,84.518 ; R24.1@199.677,84.518 C29.2@198.279,84.518
NetC31_1: C31.1 P5.21 | length 9.9
  Top Layer w0.203: C31.1@72.548,33.044 72.548,31.592 75.916,28.224 P5.21@75.916,24.562
NetC31_2: C31.2 P5.20 | length 9.4
  Top Layer w0.203: C31.2@74.148,33.044 74.148,30.988 76.416,28.72 P5.20@76.416,24.562
NetC32_2: C32.2 P5.26 | length 13.5
  Top Layer w0.203: C32.2@64.966,33.006 65.532,32.44 65.532,31.75 66.802,30.48 69.469,30.48 73.416,26.533 P5.26@73.416,24.562
NetC33_2: C33.2 P5.25 | length 12.9
  Top Layer w0.203: C33.2@66.49,33.006 66.49,31.808 67.31,30.988 69.723,30.988 73.916,26.795 P5.25@73.916,24.562
NetC34_2: C34.2 P5.24 | length 11.9
  Top Layer w0.203: C34.2@68.014,33.006 68.014,32.004 68.522,31.496 69.977,31.496 74.416,27.057 P5.24@74.416,24.562
NetC35_2: C35.2 P5.23 | length 10.7
  Top Layer w0.203: C35.2@69.538,33.006 70.104,32.44 70.104,32.131 70.358,31.877 74.916,27.319 P5.23@74.916,24.562
NetC36_2: C36.2 P5.22 | length 10.2
  Top Layer w0.203: C36.2@71.062,33.006 71.062,32.189 75.416,27.835 P5.22@75.416,24.562
NetC37_2: C37.2 P5.16 | length 9.2
  Top Layer w0.203: P5.16@78.416,24.562 78.416,30.492 80.206,32.282 C37.2@80.206,33.044
NetD2_1: D2.1 U3.1 | length 1.6
  Top Layer w0.152: D2.1@43.093,49.068 43.152,49.127 U3.1@43.152,50.689
NetLED1_1: LED1.1 Q3.3 | length 18
  Top Layer w0.254: Q3.3@116.873,53.32 117.836,53.32 118.364,53.848 119.253,53.848 119.888,54.483 119.888,56.261 v1(120.396,56.769) ; v1(126.873,59.563) 127.57,58.866 LED1.1@130.036,58.866
  Bottom Layer w0.254: v1(120.396,56.769) 120.396,58.293 121.666,59.563 v1(126.873,59.563)
NetLED1_2: LED1.2 Q7.3 | length 16.4
  Top Layer w0.254: Q7.3@116.873,62.591 124.48,62.591 125.603,61.468 125.603,59.309 127.046,57.866 LED1.2@130.036,57.866
NetLED1_3: LED1.3 Q5.3 | length 13.9
  Top Layer w0.254: Q5.3@116.873,57.892 116.873,57.993 117.046,58.166 125.095,58.166 126.395,56.866 LED1.3@130.036,56.866
NetLED1_4: LED1.4 R35.1 | length 19.5
  Top Layer w0.254: LED1.4@133.228,56.912 135.07,56.912 136.094,57.936 136.094,60.476 137.237,61.619 138.253,61.619 139.904,63.27 139.904,66.572 141.45,68.118 R35.1@144.642,68.118
NetLED1_5: LED1.5 R36.1 | length 19.7
  Top Layer w0.254: LED1.5@133.228,57.912 LED1.5@133.782,57.912 ; LED1.5@133.736,57.866 LED1.5@133.782,57.912 ; R36.1@144.642,69.642 141.577,69.642 138.761,66.826 138.761,63.905 137.237,62.381 136.422,62.381 135.255,61.214 135.255,58.42 134.768,57.933 133.803,57.933 LED1.5@133.782,57.912
NetLED1_6: LED1.6 R34.1 | length 19.4
  Top Layer w0.254: LED1.6@133.736,58.866 133.736,61.801 135.332,63.397 136.729,63.397 137.618,64.286 137.618,67.207 141.577,71.166 R34.1@144.642,71.166
NetLED2_1: LED2.1 Q4.3 | length 13.8
  Top Layer w0.254: v1(30.861,32.258) 30.869,32.266 LED2.1@32.636,32.266 ; v1(34.74,29.615) 34.74,29.107 35.121,28.726 37.915,28.726 38.514,28.127 Q4.3@38.514,26.65
  Bottom Layer w0.254: v1(30.861,32.258) 33.655,32.258 34.74,31.173 v1(34.74,29.615)
NetLED2_2: LED2.2 Q8.3 | length 6.1
  Top Layer w0.254: Q8.3@31.402,26.65 31.402,28.542 30.988,28.956 30.988,30.734 31.52,31.266 LED2.2@32.636,31.266
NetLED2_3: LED2.3 Q6.3 | length 5.2
  Top Layer w0.254: LED2.3@32.636,30.266 32.636,29.34 33.528,28.448 34.417,28.448 34.958,27.907 Q6.3@34.958,26.65 Q6.3@34.892,26.716
NetLED2_4: LED2.4 R39.1 | length 3.4
  Top Layer w0.254: LED2.4@36.336,30.266 37.679,30.266 38.181,29.764 R39.1@39.53,29.764
NetLED2_5: LED2.5 R40.1 | length 3.2
  Top Layer w0.254: LED2.5@36.336,31.266 39.508,31.266 R40.1@39.53,31.288
NetLED2_6: LED2.6 R38.1 | length 3.4
  Top Layer w0.254: LED2.6@36.336,32.266 37.727,32.266 38.273,32.812 R38.1@39.53,32.812
NetLED3_1: LED3.1 Q9.3 | length 21.2
  Top Layer w0.254: Q9.3@149.135,48.367 150.778,48.367 151.33,48.919 151.33,50.189 153.572,52.431 156.62,52.431 157.553,53.364 v1(157.553,55.777) ; v1(160.274,59.309) 160.671,58.912 LED3.1@162.036,58.912
  Bottom Layer w0.254: v1(157.553,55.777) 157.553,58.239 158.623,59.309 v1(160.274,59.309)
NetLED3_2: LED3.2 Q13.3 | length 19.1
  Top Layer w0.254: Q13.3@149.135,65.893 154.93,65.893 155.267,65.556 155.267,64.54 156.537,63.27 158.696,63.27 159.385,62.581 159.385,58.674 160.147,57.912 LED3.2@162.036,57.912